# Altium PCB HYDRA_V3_NAV_CRIPPLED_V2.PcbDoc (part 2 of 2)
Units mm, origin at the board's own origin, x right, y up, seen from the top; angles counter-clockwise.
Board outline 50 x 45 mm, 6 copper layers (Top Layer, GND 1, INT_SIG, GND 2, PWR, Bottom Layer), stack 0.816 mm thick; 171 components, 106 nets, 675 pads, 267 vias.
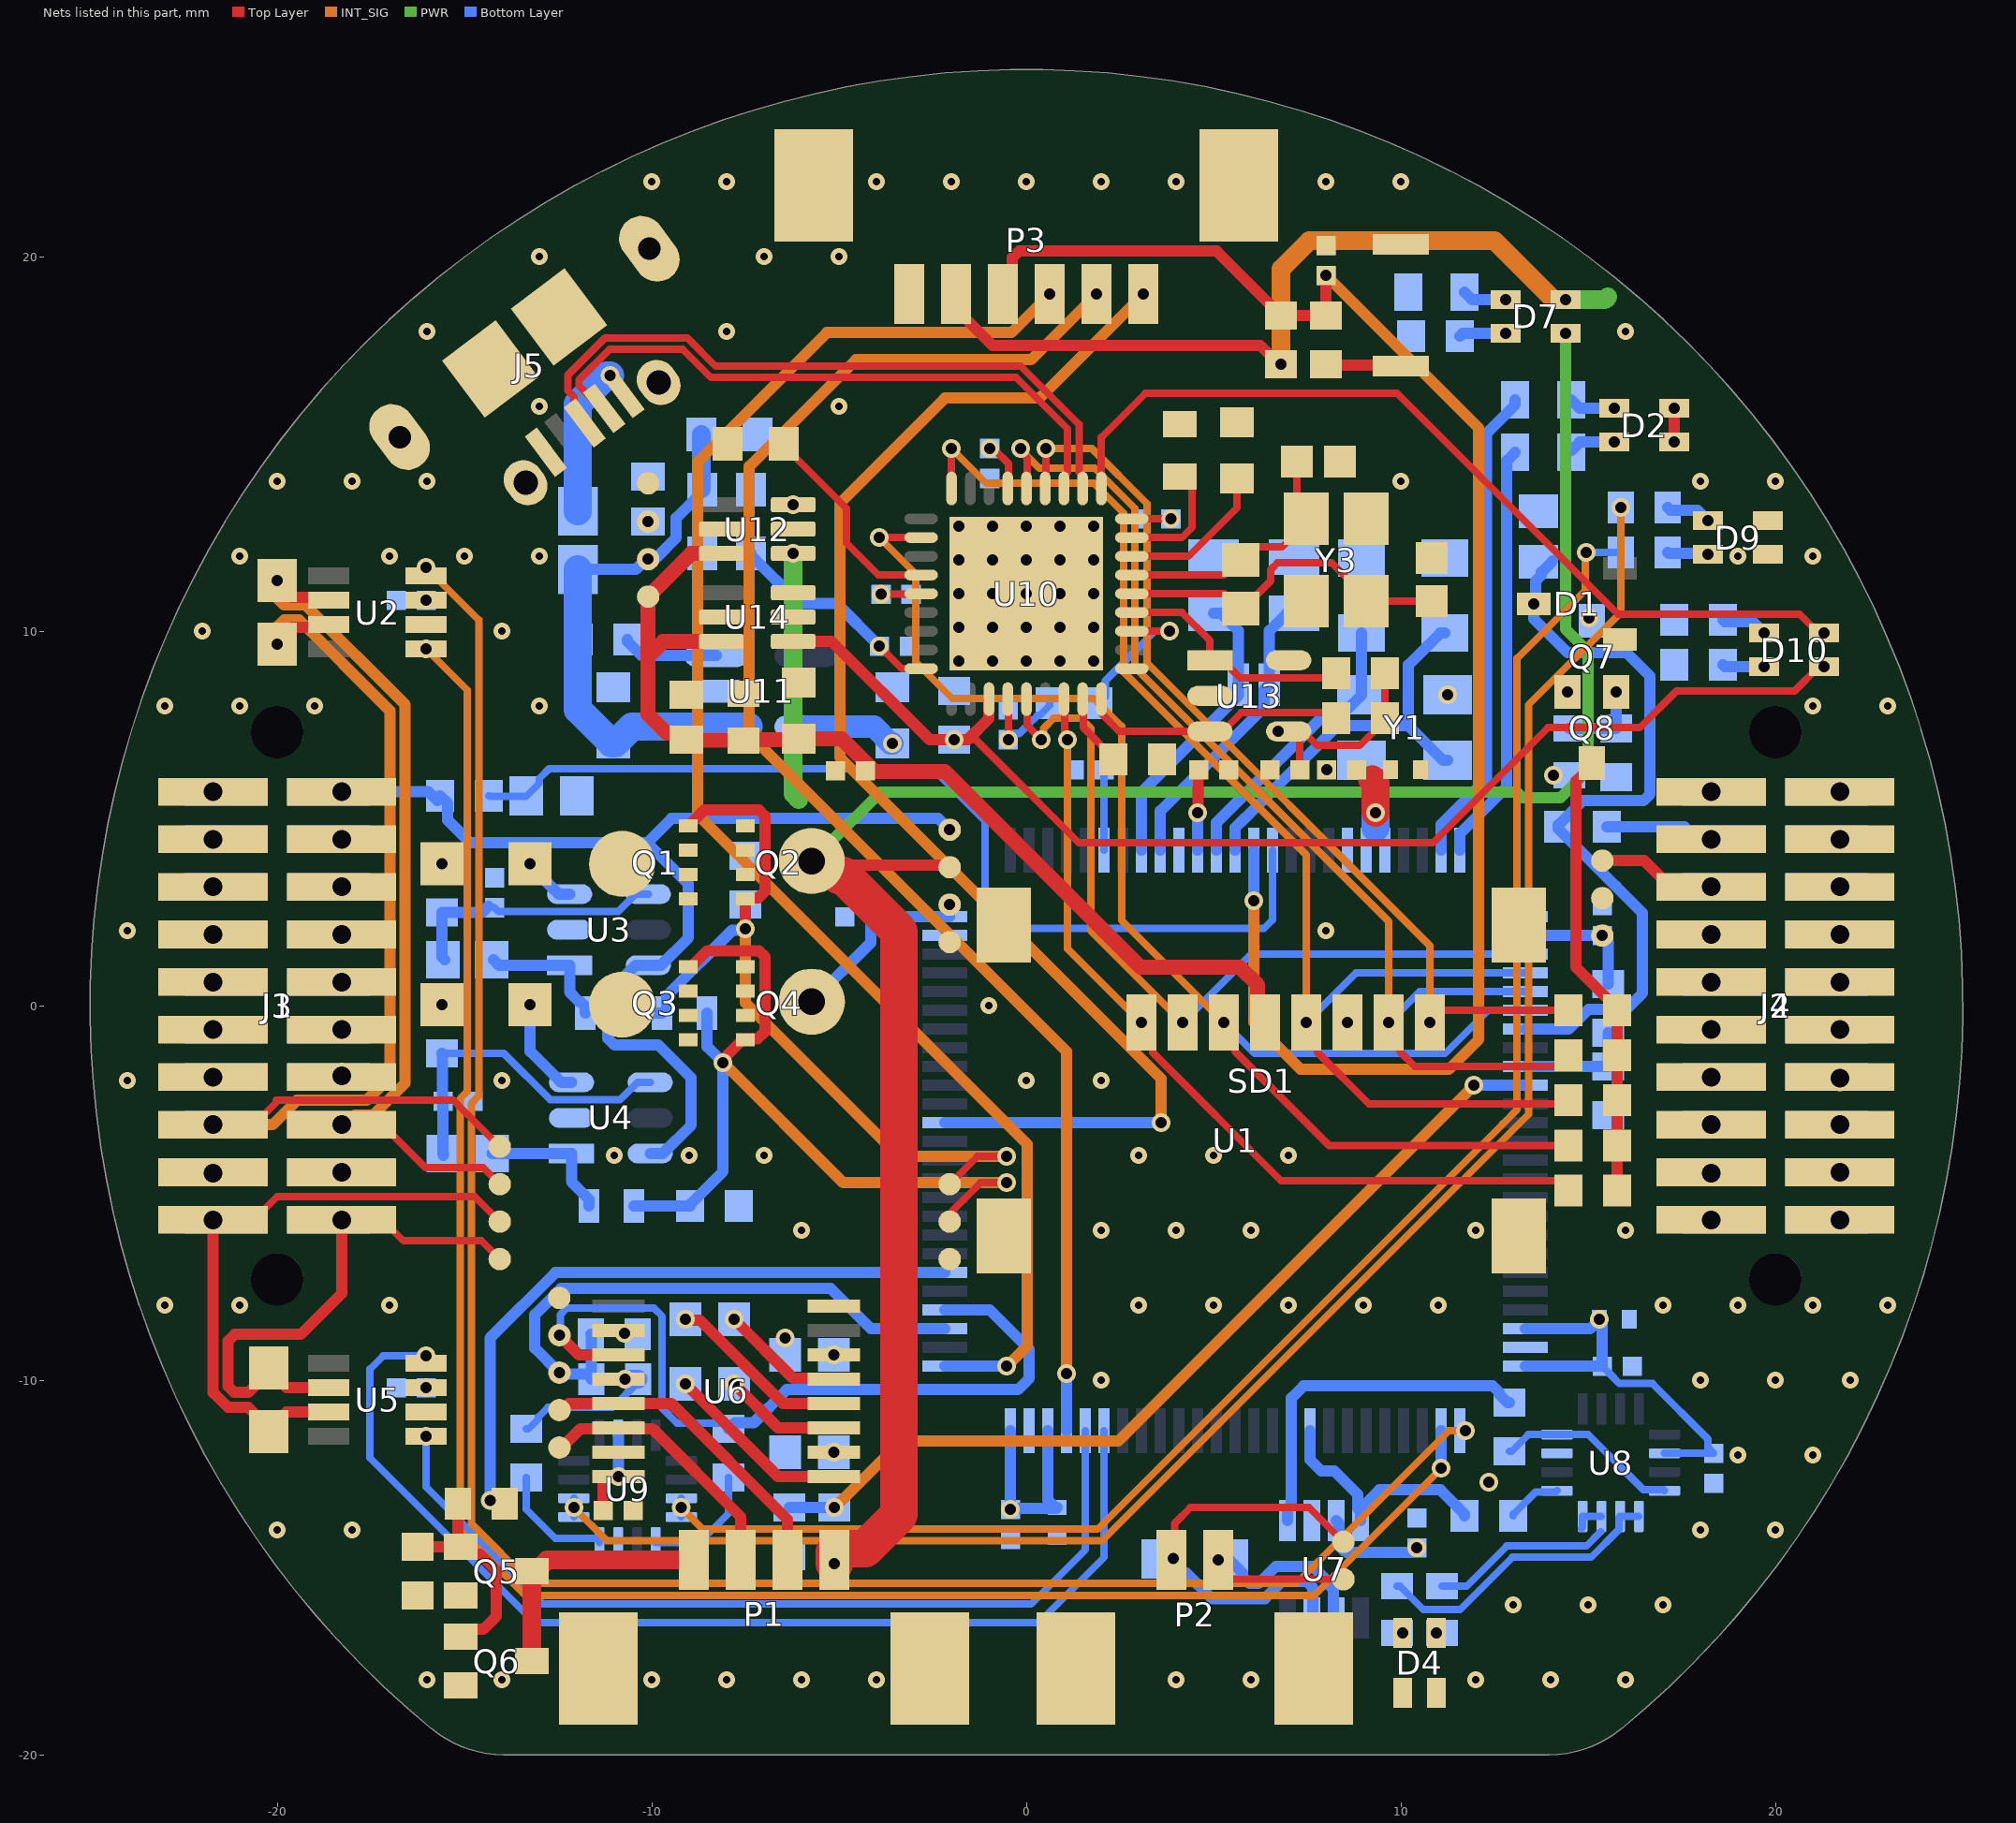
[diagram p6: the nets of this part, all layers, seen from the top]

## Part data (continued)
U2 U5 U7: library part CMP-04872-000178-1, "IC TRANSCEIVER 1/1 SOT23-8", Case/Package=SOT-23-8, Max Operating Temperature=125°C, Min Operating Temperature=-40°C, Data Rate=1Mbps, Lead Free="Lead Free", Mount="Surface Mount", Packaging="Tape and Reel", RoHS Compliant=Yes
U3 U4: library part CMP-04896-000098-1, "40V, RAIL-TO-RAIL INPUT, PUSH-PU"
U6: library part CMP-05679-000039-1, "IC TXRX RS-232 LP 16-TSSOP", Manufacturer="Maxim Integrated", Max Supply Voltage=5.5V, Min Supply Voltage=3V, Nominal Supply Current=0.3mA, Package=U16-1, Temperature="-40°C to +85°C", Temperature Range High=+85°C, Temperature Range Low=-40°C, Automotive=No, Category=IC, ComponentLink2Description=Datasheet, ComponentLink2URL=https://datasheets.maximintegrated.com/en/ds/MAX3222-MAX3241.pdf, Data Rate=120kbits/s, Device Class L1="Integrated Circuits (ICs)", Device Class L2="Interface ICs", Device Class L3="RS-232 / RS-422 / RS-485 Interface ICs", Digikey Description="IC TXRX RS-232 LP 16-TSSOP", Footprint Url=https://pdfserv.maximintegrated.com/land_patterns/90-0117.PDF, Height=1.1mm, Interface=RS-232, Lead Free=Yes, Manufacturer Part Number=MAX3232EUE+T, Mouser Description="MAX3232 Series 235 kbps 5.5V Surface Mount RS-232 Transceiver - TSSOP-16", Number Of Receivers=2, Number Of Transmitters=2, Octopart=https://octopart.com/max3232eue%2Bt-maxim+integrated-39814427, RoHS=TRUE, Simplex Duplex="Full Duplex", Standoff Height=0.05mm
U8 U9: library part CMP-014-00004-1, "LM2902 Series 30 V 1.3 MHz Low-Power Quad Operational Amplifier - QFN-16 (3x3)"
U10: library part CMP-06284-000008-1, "IC USB FLASH MEDIA CTRLR 36QFN", Ambient Temperature Range High=+85°C, Ambient Temperature Range Low=-40°C, Manufacturer=Microchip, Max Supply Voltage=3.6V, Min Supply Voltage=3V, Nominal Supply Current=80-135mA, Package=36QFN-4106-6x6B, Temperature="-40°C to +85°C", Automotive=No, Category=IC, ComponentLink2Description=Datasheet, ComponentLink2URL=http://ww1.microchip.com/downloads/en/DeviceDoc/00001979A.pdf, Data Rate=35Mbits/s, Device Class L1="Integrated Circuits (ICs)", Device Class L2="Interface ICs", Device Class L3="USB Interface ICs", Digikey Description="IC USB FLASH MEDIA CTRLR 36QFN", Height=0.9mm, Interface=SPI,UART,USB, Ipc Land Pattern Name=QFN50P600X600X85-36, Lead Free=Yes, Manufacturer Part Number=USB2244I-AEZG-06-TR, Mouser Description="USB Interface IC USB 2.0 SD/MMC Flash Media Contrl", Octopart=https://octopart.com/usb2244i-aezg-06-tr-microchip-34964624, RoHS=TRUE, Standoff Height=0mm, Temperature Range High=+85°C, Temperature Range Low=-40°C, Usb Standard="USB 2.0"
U11: library part CMP-12756-000035-1, "IC REG LINEAR 3.3V 600MA SOT25", Case/Package=SOT-23-5, Dropout Voltage=250mV, Max Input Voltage=6V, Max Operating Temperature=85°C, Max Output Current=600mA, Min Input Voltage=2.5V, Min Operating Temperature=-40°C, Output Voltage=3.3V, Package Quantity=1, Quiescent Current=55uA, Accuracy=1.5%, Height=1.3mm, Lead Free="Lead Free", Length=3.1mm, Mount="Surface Mount", Number of Outputs=1, Number of Pins=5, Number of Regulators=1, Output Current=600mA, Output Type=Fixed, Packaging="Tape and Reel", Polarity=Positive, Width=1.7mm
U12 U14: library part CMP-004-00039-1, "1.5-V to 5.5-V, 1.5-A, 0.5-uA IQ ideal diode with Integrated FET 6-SC70 -40 to 105"
U13: library part CMP-06313-000151-1, "IC EEPROM 4KBIT I2C 1MHZ SOT23-5", Case/Package=SOT-23, Frequency=400kHz, Max Operating Temperature=85°C, Max Supply Voltage=5.5V, Min Operating Temperature=-40°C, Min Supply Voltage=1.7V, Nominal Supply Current=3mA, Package Quantity=1, Access Time=900ns, Access Time-Max=900ns, Density=4096b, Interface=Serial, Lead Free="Lead Free", Max Frequency=400kHz, Memory Type=EEPROM, Mount="Surface Mount", Number of Pins=5, Organization=512X8, Packaging="Tape and Reel", Radiation Hardening=No, RoHS Compliant=Yes, Series=-, Supply Current=3mA, Write Protection=YES
Y1: library part CMP-27762-011708-1, "Crystal 48MHz ±20ppm 18pF SMD-4 3.2mm x 2.5mm", Case/Package=CSMD, ESR (Equivalent Series Resistance)=35R, Frequency=48MHz, Frequency Stability=50ppm, Frequency Tolerance=20ppm, Load Capacitance=18pF, Max Operating Temperature=70°C, Min Operating Temperature=-20°C, Operating Frequency="48 MHz", Package Quantity=1000, Resistor Type=Ceramic, Depth=2.5mm, Height=0.031inch, Lead Free="Lead Free", Length=3.2mm, Mount="Surface Mount", Number of Pins=4, Packaging="Tape and Reel", Radiation Hardening=No, REACH SVHC="No SVHC", RoHS Compliant=Yes, Series=ABM8, Series Resistance=35R, Termination=SMD/SMT, Tolerance=20ppm, Width=0.098inch
Y2: library part CMP-40224-000006-1, "CRYSTAL 32.7680KHZ 12.5PF SMD", Frequency=32.768kHz, Load Capacitance=12.5pF, Manufacturer="ECS International", Package=ECX-1210, Temperature="-40°C to +85°C", Temperature Range High=+85°C, Temperature Range Low=-40°C, Tolerance=20ppm, Automotive=No, Category=Crys, ComponentLink2Description=Datasheet, ComponentLink2URL=https://ecsxtal.com/store/pdf/ECX-1210.pdf, Device Class L1="Passive Components", Device Class L2="Crystals / Oscillators", Device Class L3=Crystals, Digikey Description="CRYSTAL 32.7680KHZ 12.5PF SMD", Esr=90kΩ, Height=0.5mm, Lead Free=Yes, Manufacturer Part Number=ECS-.327-12.5-1210-TR, Octopart=https://octopart.com/ecs-.327-12.5-1210-tr-ecs+international-81221340, RoHS=TRUE, Series=ECX-1210
Y3: library part CMP-27762-015716-1, "Crystal 24MHz ±20ppm (Tol) ±50ppm (Stability) 12pF FUND 50Ω Automotive 4-Pin Ultra Mini-CSMD T/R", Case/Package=SMD/SMT, ESR (Equivalent Series Resistance)=50R, Frequency=24MHz, Frequency Stability=50ppm, Frequency Tolerance=20ppm, Load Capacitance=12pF, Max Operating Temperature=125°C, Min Operating Temperature=-40°C, Ratings=AEC-Q200, Height=0.031inch, Length=0.126inch, Mount="Surface Mount", Packaging="Cut Tape", RoHS Compliant=Yes, Series=ABM8AIG, Width=0.098inch

## Via types
v1: diameter 0.5, hole 0.3, Top Layer to Bottom Layer, 133 vias
v2: diameter 0.45, hole 0.2, Top Layer to Bottom Layer, 92 vias
v3: diameter 0.7, hole 0.5, Top Layer to Bottom Layer, 40 vias
v4: diameter 1.27, hole 0.711, Top Layer to Bottom Layer, 2 vias

## Nets (pads, with @x,y where several pads share a name; then routed paths per layer and width w, separated by ;. In a path a pad name is that pad's centre, name@x,y a point inside that pad or via, vN(x,y) a via of type N, cw(c..) or ccw(c..) an arc to the next point about the centre after c; other vN are vias at no path point)
3V3: C1.2 C2.2 C3.1 C5.2 C7.2 C8.2 C9.2 C10.1 C11.2 C12.2 C17.2 C21.1 C27.2 C28.2 D2.2 D2.3 D7.3 P3.5 Q4.5-6-7-8 Q7.3 R2.2 R22.1 TP4.1 TP25.1 U1.11 U1.20 U1.21 U1.27 U1.48 U1.50 U1.73 U1.75 U1.100 U2.3 U5.3 U6.16 U7.3 U8.2 U9.2 U12.1 | length 63.3
  Top Layer w0.3: C21.1@-11.3,-13.475 -11.3,-12.595 -11.275,-12.57 v1(-10.895,-12.57) ; P3.5@-1.875,19 -1.875,18.6 -0.9,17.625 6.25,17.625 6.75,17.125 v1(6.8,17.125) ; v1@4.575,5.25 4.587,5.262 4.587,6.287 C5.2@4.6,6.3 ; v1(17.3,15.05) v1(17.3,15.95)
  Top Layer w0.75: 9.235,6.045 9.325,5.955 v1(9.325,5.15)
  PWR w0.5: v1(-6.23,12.075) -6.23,5.655 -6.075,5.5 ; v1(14.4,18.85) 15.45,18.85 15.525,18.925
  INT_SIG w0.5: v1(6.8,17.125) 6.8,19.675 7.55,20.425 12.5,20.425 14.075,18.85 v1(14.4,18.85)
  Bottom Layer w0.2: C9.2@15.375,-9.625 15.697,-9.947 15.697,-9.952 15.833,-10.088 16.713,-10.088 18.196,-11.571 18.196,-11.796 C28.2@18.35,-11.95 U8.2@17.035,-11.95
  Bottom Layer w0.3: U9.2@-10.9,-11.465 -10.898,-11.467 -10.898,-12.568 v1(-10.895,-12.57) ; v4(-5.733,0.108) -4.16,1.68 -4.16,2.265 C1.2@-4.05,2.375 U1.100@-2.175,2.375 -2.05,2.375 v1(-2.05,2.7) ; U1.75@-0.425,-11.35 v1(-0.425,-13.45) -0.4,-13.425 0.8,-13.425 C3.1@0.825,-13.4 ; U1.73@0.575,-11.35 0.575,-13.2 C3.1@0.775,-13.4 ; U1.11@4.575,4.15 v1@4.575,5.25 ; U7.3@8.275,-13.75 8.35,-13.825 8.35,-14.424 8.526,-14.6 10.3,-14.6 v1(10.425,-14.475) ; U1.50@13.325,-9.625 C9.2@15.375,-9.625 15.375,-8.5 C10.1@15.3,-8.425 ; U1.48@13.325,-8.625 15.05,-8.625 15.2,-8.475 15.25,-8.475 C10.1@15.3,-8.425 ; U1.27@13.325,1.875 v1(15.375,1.875) 15.53,1.72 R2.2@15.53,0.575 ; v1(15.3,-8.375) C10.1@15.3,-8.425
  Bottom Layer w0.75: 9.325,4.75 v1(9.325,5.15)
  other v1: -16.025,-10.2 4.575,5.15 15.018,10.357 -16.025,10.825
3V3_CUTOFF_MOSFET: D6.C D8.A Q3.4 Q4.4 R13.2 TP10.1 | length 24
  Top Layer w0.2: TP10.1@-2.05,-5.763 -1.973,-5.686 -1.973,-5.473 -1.225,-4.725 v1(-0.525,-4.725)
  Top Layer w0.3: Q3.4@-9.025,1.043 -9,1.068 -8.925,1.068 -8.521,1.472 -7.146,1.472 -6.982,1.307 -6.982,-0.686 -7.176,-0.88 -7.475,-0.88 Q4.4@-7.5,-0.905 -7.575,-0.905 -8.062,-1.392 -8.062,-1.479 v1(-8.1,-1.518)
  INT_SIG w0.3: v1(-8.1,-1.518) -4.893,-4.725 v1(-0.525,-4.725)
  Bottom Layer w0.3: D6.C@-10.475,-5.35 R13.2@-8.975,-5.35 -8.975,-5.3 -8.1,-4.425 v1(-8.1,-1.518) -8.525,-1.093 D8.A@-8.525,-0.2
3V3_OC_TP: D6.A R17.1 U4.1 | length 3.7
  Bottom Layer w0.3: R17.1@-14.273,-3.945 U4.1@-12.148,-3.945 -12.148,-4.702 -11.675,-5.175 D6.A@-11.675,-5.35
3V3_POST_SHUNT: Q3.5-6-7-8 R15.2 U4.3 | length 2.7
  Bottom Layer w0.3: v1(-13.25,0.03) -13.25,-1.219 -12.601,-1.868 -12.424,-2.045 U4.3@-12.148,-2.045
3V3_PRE_SHUNT: J1.09 J1.10 J1.11 J1.12 J3.09 J3.10 J3.11 J3.12 R15.1 R16.2
  other v1: -15.6,0.03
  other v3: -21.715,-0.635 -18.285,-0.635 -21.715,0.635 -18.285,0.635
3V3_SENSE: R2.1 R6.2 U1.34 | length 3.1
  Bottom Layer w0.3: U1.34@13.325,-1.625 13.775,-1.625 R6.2@15.53,-1.625 R2.1@15.53,-0.725
5V: D7.2 P1.4 Q2.5-6-7-8 R1.2 TP1.1 | length 57.8
  Top Layer w0.3: v4(-5.735,3.865) -5.627,3.757 -2.107,3.757 TP1.1@-2.05,3.7
  Top Layer w1: v1(-5.125,-14.9) -5.125,-14.6 -5.025,-14.5 -4.311,-14.5 -3.4,-13.589 -3.4,1.985 -4.896,3.481 Q2.5-6-7-8@-5.01,3.481
  PWR w0.3: v4(-5.735,3.865) -3.9,5.7 13.1,5.7 13.25,5.55 14.253,5.55 15,6.297 15,9.45 14.4,10.05 v1(14.4,17.95)
5V_CUTOFF_MOSFET: D5.C D8.C Q1.4 Q2.4 R9.2 TP9.1 | length 23.2
  Top Layer w0.2: TP9.1@-2.05,-4.763 -1.312,-4.025 v1(-0.525,-4.025)
  Top Layer w0.3: Q1.4@-9.027,4.803 -8.952,4.803 -8.927,4.828 -8.927,4.903 -8.601,5.229 -7.148,5.229 -6.984,5.065 -6.984,3.053 -7.16,2.878 -7.477,2.878 Q2.4@-7.502,2.853 -7.501,2.851 -7.501,2.051 v1(-7.5,2.05)
  INT_SIG w0.3: v1(-7.5,2.05) -7.5,0.075 -3.4,-4.025 v1(-0.525,-4.025) v1@-0.425,-4.025
  Bottom Layer w0.3: D5.C@-10.575,-0.2 D8.C@-9.725,-0.2 -9.6,-0.075 -9.6,0.275 -7.857,2.018 -7.532,2.018 v1(-7.5,2.05) R9.2@-7.5,2.7
5V_OC_TP: D5.A R14.1 U3.1 | length 3.6
  Bottom Layer w0.3: R14.1@-14.225,1.225 -14.08,1.08 U3.1@-12.198,1.08 -12.198,0.365 -11.933,0.1 -11.9,0.1 -11.775,-0.025 D5.A@-11.775,-0.2
5V_POST_SHUNT: Q1.5-6-7-8 R11.2 U3.3 | length 1.4
  Bottom Layer w0.3: v1(-13.253,3.79) -13.253,3.743 -12.489,2.98 U3.3@-12.198,2.98
5V_PRE_SHUNT: J1.03 J1.04 J1.05 J1.06 J3.03 J3.04 J3.05 J3.06 R11.1 R12.2
  other v1: -15.603,3.79
  other v3: -21.715,3.175 -18.285,3.175 -21.715,4.445 -18.285,4.445
5V_SENSE: R1.1 R5.2 U1.35 | length 24.3
  INT_SIG w0.3: v1(-5.125,-13.4) -3.35,-11.625 2.45,-11.625 v1(11.95,-2.125)
  Bottom Layer w0.3: R5.2@-6.325,-13.4 v1(-5.125,-13.4) ; v1(11.95,-2.125) U1.35@13.325,-2.125
5V_USB: C29.1 C40.1 FB1.1 R43.1 R53.2 TP21.1 U11.1 | length 14.6
  Bottom Layer w0.3: FB1.1@-11.975,11.649 -10.43,11.649 -10.154,11.925 v1(-10.1,11.925) ; v1@-9.881,11.963 -9.35,12.494 -9.35,13.025 -8.65,13.725 R43.1@-8.65,13.775
  Bottom Layer w0.5: R43.1@-8.675,13.8 C29.1@-8.675,15.25
  Bottom Layer w0.75: FB1.1@-11.975,11.649 -11.975,7.908 -11.075,7.008 C40.1@-11.025,7.008 -10.975,7.008 -10.533,7.45 U11.1@-8.275,7.45 -7.421,7.45
CAN0_N: J1.16 J3.16 R10.1 TP11.1 U2.6 | length 23.8
  Top Layer w0.2: v3(-18.285,-3.175) -17.195,-3.175 -16.045,-4.325 -14.5,-4.325 TP11.1@-14.062,-4.763
  Top Layer w0.3: v1(-20,11.35) -20,11.3 -19.6,10.9 -18.7,10.9 U2.6@-18.625,10.825
  INT_SIG w0.3: v1(-20,11.35) -20,10.877 -19.824,10.701 -19.249,10.701 -16.591,8.043 -16.591,-2.066 -17.452,-2.927 -17.928,-2.927 -18.177,-3.175 v3(-18.285,-3.175)
CAN0_P: J1.15 J3.15 R10.2 TP7.1 U2.7 | length 29.7
  Top Layer w0.2: v3(-21.715,-3.175) -20.625,-3.175 -20.025,-2.575 -20.025,-2.525 -15.3,-2.525 TP7.1@-14.062,-3.763
  Top Layer w0.3: v1(-20,9.65) -20,9.7 -19.6,10.1 -18.7,10.1 U2.7@-18.625,10.175
  INT_SIG w0.3: v3(-21.715,-3.175) -20.128,-3.175 -19.478,-2.525 -17.618,-2.525 -16.993,-1.9 -16.993,7.876 -17.109,7.993 -19.416,10.299 -19.824,10.299 -20,10.123 v1(-20,9.65)
CAN1_N: J1.20 J3.20 R21.1 TP12.1 U5.6 | length 14.7
  Top Layer w0.2: v3(-18.285,-5.715) -17.195,-5.715 -16.635,-6.275 -14.55,-6.275 TP12.1@-14.062,-6.763
  Top Layer w0.3: U5.6@-18.625,-10.2 -19.75,-10.2 -20.225,-9.725 R21.1@-20.225,-9.675 -20.6,-10.05 -20.6,-10.148 -20.776,-10.324 -21.15,-10.324 -21.313,-10.161 -21.313,-8.951 -21.138,-8.775 -19.375,-8.775 -18.285,-7.685 v3(-18.285,-5.715)
CAN1_P: J1.19 J3.19 R21.2 TP8.1 U5.7 | length 16.6
  Top Layer w0.2: v3(-21.715,-5.715) -20.625,-5.715 -20.01,-5.1 -14.725,-5.1 TP8.1@-14.062,-5.763
  Top Layer w0.3: v3(-21.715,-5.715) -21.715,-10.327 -21.316,-10.726 -20.776,-10.726 -20.6,-10.902 -20.6,-11 R21.2@-20.225,-11.375 -20.225,-11.325 -19.75,-10.85 U5.7@-18.625,-10.85
CAN1_RX: U1.70 U5.4 | length 29.5
  Bottom Layer w0.2: v1(-16.025,-9.35) -17.175,-9.35 -17.525,-9.7 -17.525,-12.075 -13.125,-16.475 0.325,-16.475 2.075,-14.725 U1.70@2.075,-11.35
CAN1_TX: U1.71 U5.1 | length 24
  Bottom Layer w0.2: v1(-16.025,-11.5) -16.025,-12.85 -12.9,-15.975 0.125,-15.975 1.575,-14.525 U1.71@1.575,-11.35
CAN2_N: P2.2 R33.1 TP15.1 U7.6 | length 8.3
  Top Layer w0.2: v1(5.125,-14.8) 5.125,-15.013 5.425,-15.313 TP15.1@8.463,-15.313
  Bottom Layer w0.3: v1(5.125,-14.8) 5.425,-14.8 5.775,-15.15 5.775,-15.251 5.951,-15.427 6.199,-15.427 6.66,-14.966 7.641,-14.966 8.052,-15.377 8.052,-15.436 8.2,-15.584 8.2,-16.275 U7.6@8.275,-16.35
CAN2_P: P2.1 R33.2 TP13.1 U7.7 | length 11.4
  Top Layer w0.2: P2.1@3.875,-14.8 3.958,-14.717 3.958,-13.817 4.375,-13.4 7.55,-13.4 TP13.1@8.463,-14.313
  Bottom Layer w0.3: R33.2@3.875,-14.8 3.875,-14.95 4.075,-15.15 4.269,-15.15 4.948,-15.829 6.366,-15.829 6.827,-15.367 7.474,-15.367 7.65,-15.543 7.65,-16.325 U7.7@7.625,-16.35
  other v1: 3.916,-14.759
CAN2_RX: U1.51 U2.4 | length 55.1
  INT_SIG w0.2: v1(-16.025,11.7) -14.623,10.298 -14.623,-2.41 -14.822,-2.609 -14.822,-13.828 -13.225,-15.425 7.2,-15.425 11.275,-11.35 v1(11.725,-11.35)
CAN2_TX: U1.52 U2.1 | length 53.4
  INT_SIG w0.2: v1(-16.025,9.525) -14.925,8.425 -14.925,-2.285 -15.123,-2.484 -15.123,-14.002 -13.375,-15.75 7.675,-15.75 v1(11.075,-12.35)
  Bottom Layer w0.3: v1(11.075,-12.35) 11.075,-11.8 U1.52@11.075,-11.35
CAN3_RX: R36.1 U1.59 U7.4 | length 6.4
  Bottom Layer w0.3: U1.59@7.575,-11.35 7.575,-12.125 7.875,-12.425 8.225,-12.425 8.85,-13.05 U7.4@8.85,-13.425 ; U7.4@8.925,-13.75 8.925,-13.425 9.424,-12.926 11.051,-12.926 11.7,-13.575 R36.1@11.7,-13.625
CAN3_TX: R38.2 U1.60 U7.1 | length 9.5
  Bottom Layer w0.3: U7.1@6.975,-13.75 6.975,-13.425 7.075,-13.325 U1.60@7.075,-11.35 7.075,-10.475 7.4,-10.15 12.449,-10.15 12.625,-10.326 12.625,-10.375 12.85,-10.6 R38.2@12.9,-10.6
CRD_PWR: D10.2 R55.2 U10.21 U14.1 | length 33
  Top Layer w0.2: -1.57,7.105 -1.355,7.105 1.4,4.35 10.85,4.35 13.925,7.425 16.375,7.425 17.355,8.405 20.505,8.405 21.15,9.05 v1(21.3,9.05)
  Top Layer w0.3: U14.1@-6.23,9.725 -5.2,9.725 -2.58,7.105 v1(-1.925,7.105) -1.57,7.105 -1.01,7.665 -1.01,8.178 U10.21@-1,8.188
EEPROM_SCL: R45.1 U10.31 U13.1 | length 6.5
  Top Layer w0.2: U10.31@2.834,10.499 4.151,10.499 4.9,9.75 U13.1@4.9,9.225 5.236,9.225 5.704,8.757 8.157,8.757 R45.1@8.275,8.875
EEPROM_SDA: R48.1 U10.27 U13.3 | length 7.1
  Top Layer w0.2: U10.27@2.022,8.186 2.037,8.171 2.037,7.763 2.475,7.325 5.236,7.325 5.736,7.825 8.125,7.825 R48.1@8.275,7.675
G_LED: R18.2 U1.25 | length 11.2
  Bottom Layer w0.3: U1.25@11.575,4.15 11.575,4.6 12.825,5.85 12.825,14.55 R18.2@13.05,14.775
GND: C1.1 C2.1 C3.2 C4.1 C5.1 C6.2 C7.1 C8.1 C9.1 C10.2 C11.1 C12.1 C13.1 C14.1 C15.2 C16.2 C17.1 C18.2 C19.2 C20.2 C21.2 C22.2 C24.2 C26.2 C27.1 C28.1 C29.2 C30.1 C31.2 C32.1 C33.1 C34.1 C35.2 C36.2 C37.1 C38.2 C39.2 C40.2 C41.2 C42.1 C43.1 C44.1 D1.1 D4.1 D4.4 D9.1 D9.4 J1.07 J1.08 J1.13 J1.14 J1.17 J1.18 J2.09 J2.10 J2.11 J2.12 J2.13 J2.14 J2.15 J2.16 J2.17 J2.18 J2.19 J2.20 J3.07 J3.08 J3.13 J3.14 J3.17 J3.18 J4.09 J4.10 J4.11 J4.12 J4.13 J4.14 J4.15 J4.16 J4.17 J4.18 J4.19 J4.20 J5.5 J5.6 J5.7 J5.8 J5.9 J5.10 J5.11 P1.MP1 P1.MP2 P2.MP1 P2.MP2 P3.6 P3.S1 P3.S2 Q5.2 Q6.2 R5.1 R6.1 R7.1 R8.1 R9.1 R13.1 R23.2 R24.2 R26.1 R28.1 R44.1 R46.1 R47.1 R50.1 R51.2 R52.2 R55.1 R57.1 SD1.6 SD1.9 SD1.10 SD1.11 SD1.12 SW1.2 TP5.1 TP6.1 TP14.1 TP23.1 TP24.1 U1.10 U1.19 U1.26 U1.49 U1.74 U1.99 U2.2 U3.2 U4.2 U5.2 U6.8 U6.10 U6.15 U7.2 U8.11 U9.11 U10.28 U10.37 U11.2 U12.2 U12.5 U13.2 U13.5 U14.2 U14.3 U14.5 Y1.2 Y1.4 Y3.2 Y3.4